# KiCad board m-blanc.kicad_pcb (continued)
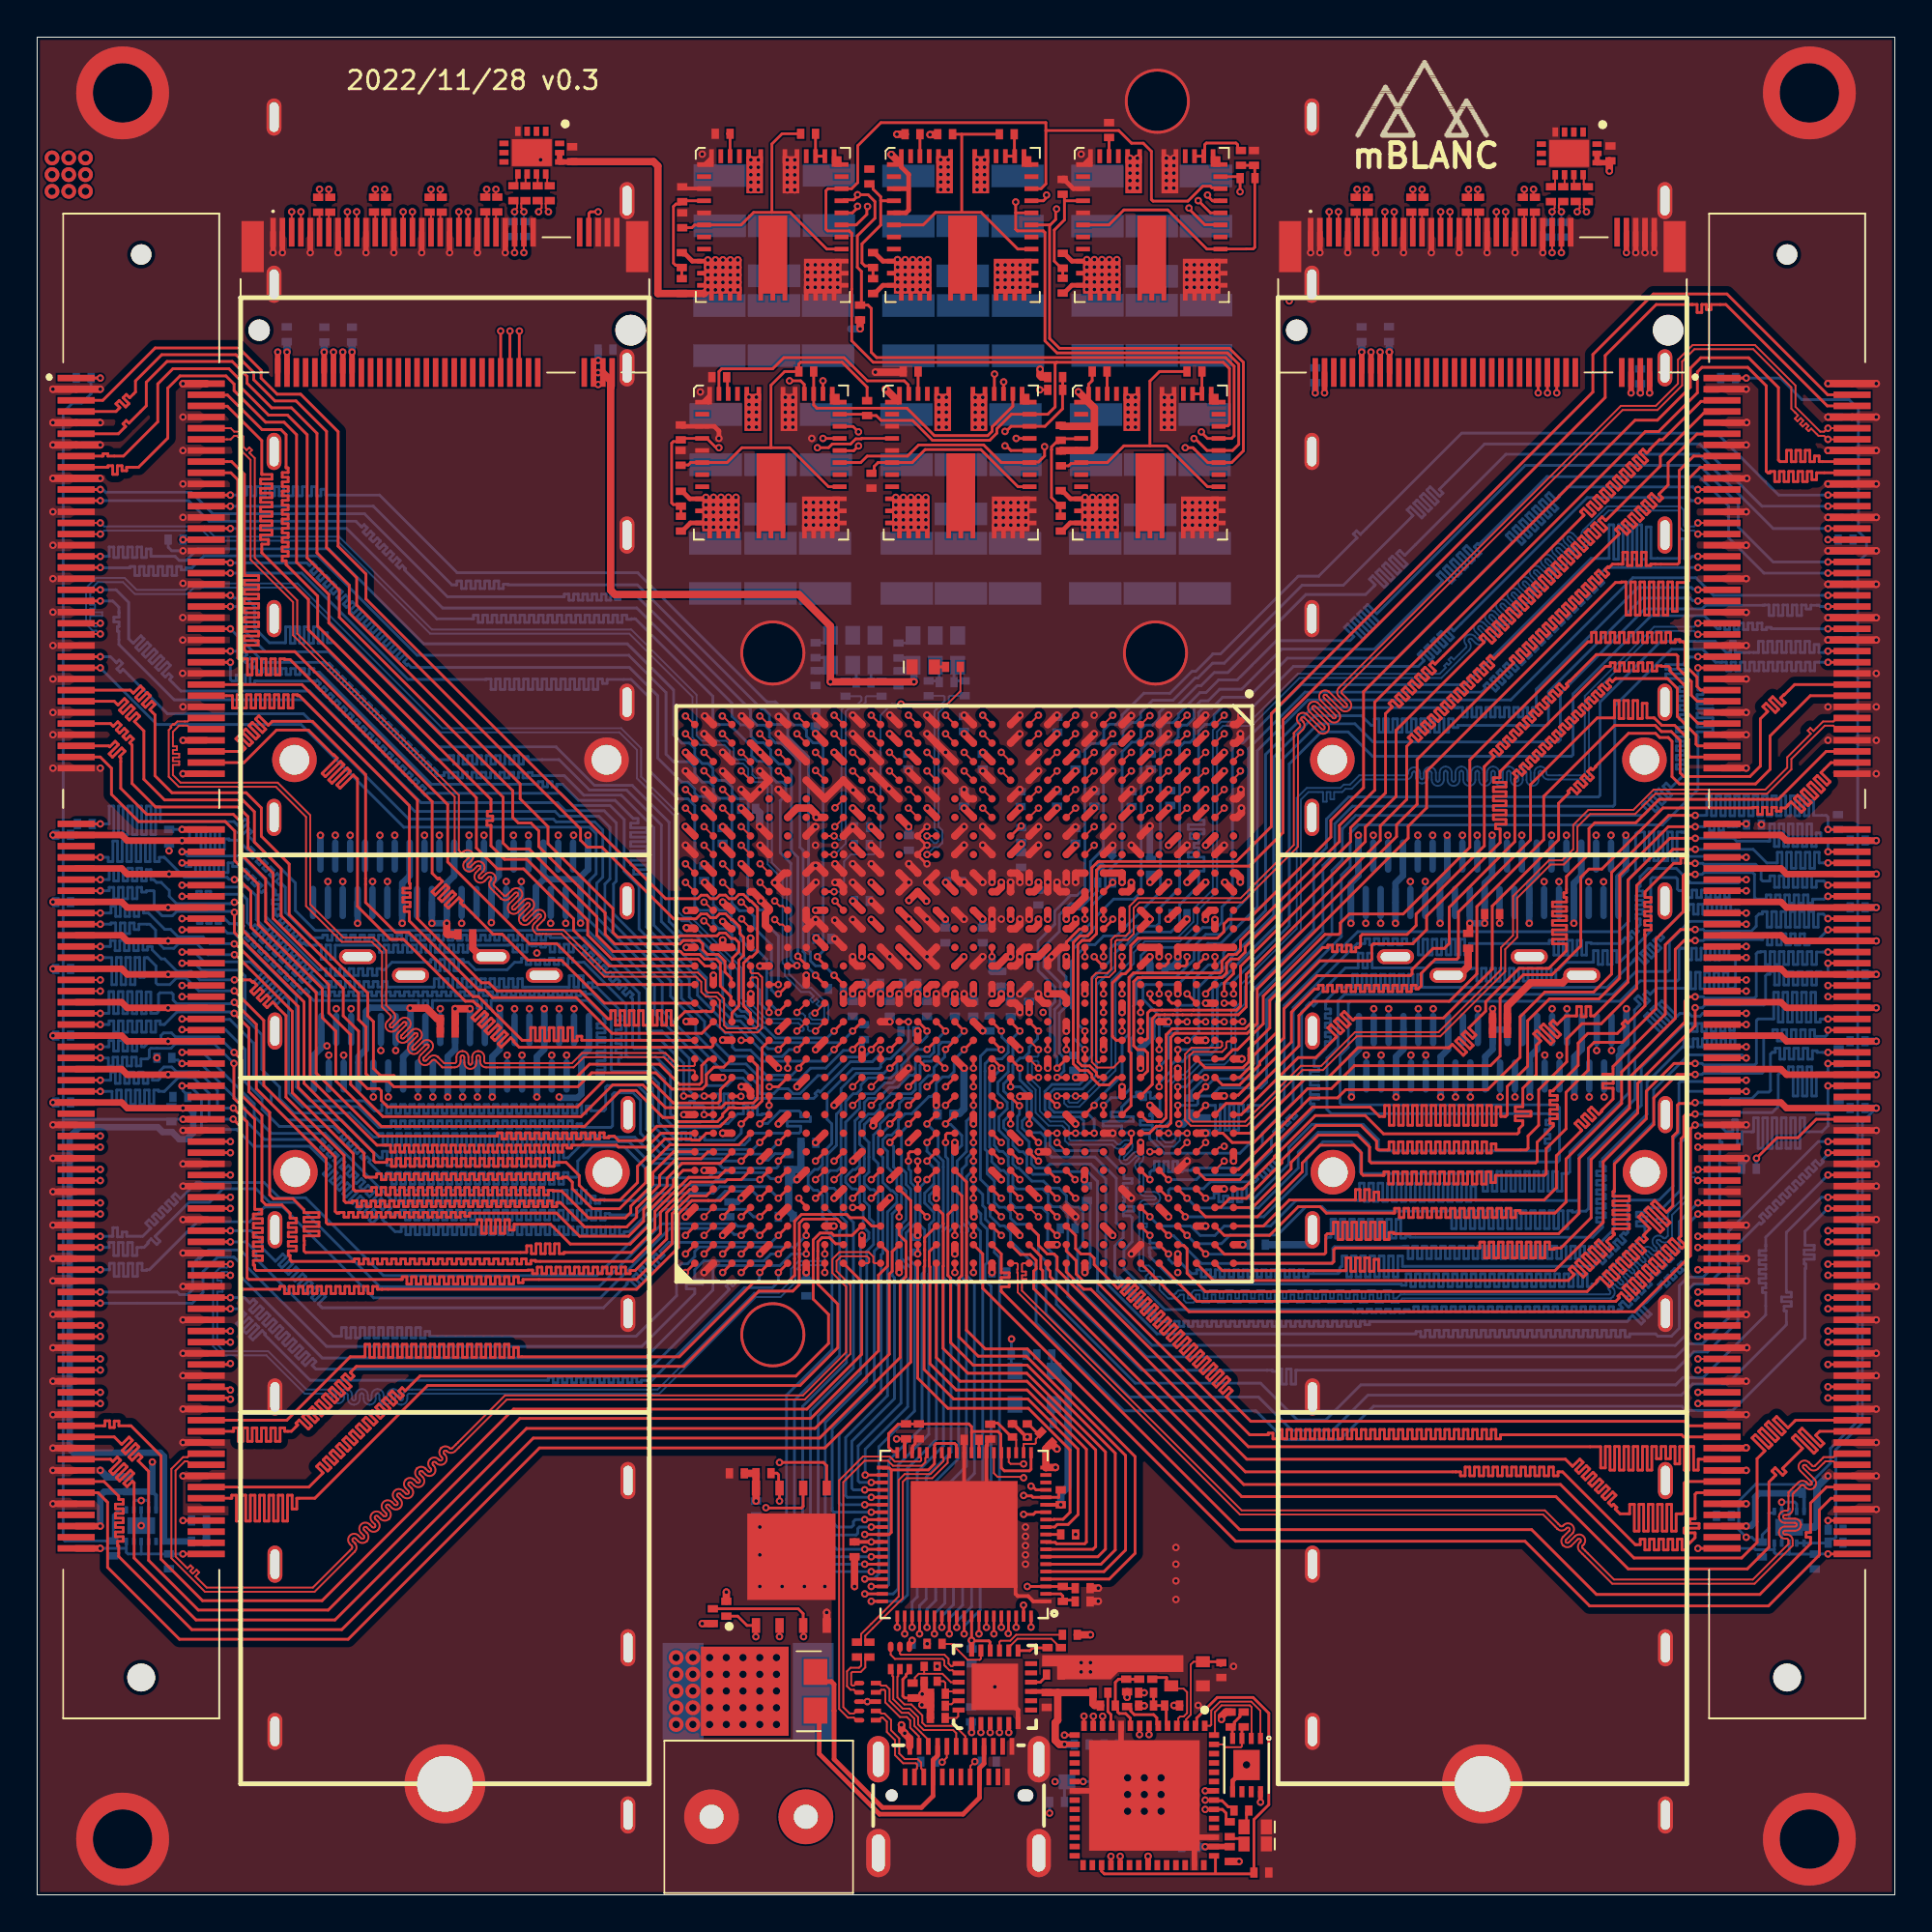
[diagram p0: board, top side]
## Routing (per net, layer and track width the routed paths; a pad name or vN(x,y) marks a point on that pad's centre or on a via; arc(x,y) is an arc through that point) (continued)
FT_D13: length 25.2
  Top Layer w0.15: v1(47.9,38.5) U1.U25 ; v1(44.9,16.6) U4.55
  Bottom Layer w0.15: v1(44.9,16.6) 45.75,16.6 45.84,16.69 45.84,23.37 47.64,25.17 47.64,33.42 47.78,33.56 47.78,35.8 47.53,36.05 47.53,38.09 47.9,38.47 v1(47.9,38.5)
FT_D14: length 28
  Top Layer w0.15: v1(44.55,16.2) U4.56 ; v1(47.9,39.5) U1.U24
  Bottom Layer w0.15: v1(44.55,16.2) 46.07,16.2 46.35,16.47 46.35,23.14 48,24.79 48,33.43 48.03,33.46 48.03,36.07 48.1,36.14 48.1,36.15 48.28,36.33 48.28,36.74 47.78,37.24 47.78,37.78 48.28,38.28 48.28,39.12 v1(47.9,39.5)
FT_D15: length 29.2
  Top Layer w0.15: v1(44.9,15.8) U4.57 ; v1(47.9,40.5) U1.U23
  Bottom Layer w0.15: v1(47.9,40.5) 47.9,40.03 48.53,39.41 48.53,38.14 48.28,37.9 48.27,37.9 48.03,37.66 48.03,37.34 48.53,36.84 48.53,36.22 48.28,35.97 48.28,33.03 48.41,32.9 48.41,24.51 46.85,22.96 46.85,16.14 46.51,15.8 v1(44.9,15.8)
FT_D16: length 29.7
  Top Layer w0.15: v1(47.1,14.4) U4.60 ; v1(47.9,41.5) U1.U22
  Bottom Layer w0.15: v1(47.1,14.4) 47.1,15.77 47.37,16.04 47.37,22.76 48.79,24.18 48.79,32.87 48.53,33.14 48.53,35.86 48.78,36.11 48.78,39.51 48.5,39.78 48.5,40.9 v1(47.9,41.5)
FT_D17: length 29.4
  Top Layer w0.15: v1(48.9,40.5) 48.9,40.91 48.99,41 U1.T23 ; v1(47.5,14.05) U4.61
  Bottom Layer w0.15: v1(47.5,14.05) 47.5,15.57 47.86,15.93 47.86,22.49 49.2,23.83 49.2,32.82 48.78,33.24 48.78,35.76 49.03,36.01 49.03,39.61 48.9,39.74 v1(48.9,40.5)
FT_D18: length 30.2
  Top Layer w0.15: v1(48.9,41.5) U1.T22 ; v1(47.9,14.4) U4.62
  Bottom Layer w0.15: v1(48.9,41.5) 48.93,41.47 49.18,41.47 49.78,40.88 49.78,40.34 49.28,39.84 49.28,35.91 49.03,35.66 49.03,33.34 49.6,32.77 49.6,23.5 48.37,22.26 48.37,15.85 47.9,15.38 v1(47.9,14.4)
FT_D19: length 31.2
  Top Layer w0.15: v1(48.3,14.05) U4.63 ; v1(50.4,42.5) U1.R21
  Bottom Layer w0.15: v1(50.4,42.5) 50.4,42.03 50.03,41.66 50.03,40.01 49.53,39.51 49.53,36.09 49.75,35.86 49.75,35.68 49.78,35.66 49.78,33.24 50.02,33 50.02,23.08 48.86,21.92 48.86,15.7 48.3,15.13 v1(48.3,14.05)
FT_D20: length 28.5
  Top Layer w0.15: v1(48.7,14.4) U4.64 ; v1(50.4,40.5) U1.R23
  Bottom Layer w0.15: v1(48.7,14.4) 48.7,15 49.33,15.62 49.33,21.56 50.45,22.69 50.45,32.91 50.03,33.34 50.03,35.66 50.11,35.74 50.11,35.86 49.78,36.19 49.78,39.06 50.03,39.31 50.03,39.66 50.4,40.03 v1(50.4,40.5)
FT_D21: length 28.3
  Top Layer w0.15: v1(50.4,39.5) U1.R24 ; v1(49.1,14.05) U4.65
  Bottom Layer w0.15: v1(50.4,39.5) 50.4,39.03 50.03,38.66 50.03,36.29 50.36,35.96 50.54,35.96 50.78,35.72 50.78,32.96 50.9,32.84 50.9,22.24 49.82,21.16 49.82,15.6 49.1,14.88 v1(49.1,14.05)
FT_D22: length 25.5
  Top Layer w0.15: v1(49.5,14.4) U4.66 ; v1(50.4,37.5) U1.R26
  Bottom Layer w0.15: v1(50.4,37.5) 50.4,37.06 50.8,36.66 50.8,36.17 51.14,35.83 51.14,34.03 51.03,33.91 51.03,33.09 51.35,32.76 51.35,21.94 50.3,20.89 50.3,15.52 49.5,14.71 v1(49.5,14.4)
FT_D23: length 27.3
  Top Layer w0.15: v1(50.4,38.5) U1.R25 ; v1(49.9,14.05) U4.67
  Bottom Layer w0.15: v1(50.4,38.5) 50.4,38.2 50.9,37.7 50.9,37.1 51.05,36.95 51.05,36.37 51.53,35.89 51.53,34.58 51.81,34.3 51.81,21.51 50.76,20.46 50.76,15.33 49.91,14.48 49.91,14.06 v1(49.9,14.05)
FT_D24: length 32.6
  Top Layer w0.15: v1(46.9,42.5) U1.V21 ; v1(50.7,14.05) U4.69
  InLayer2 (Signal) w0.15: v1(50.7,14.05) 50.7,14.36 46.64,18.42 46.64,33.21 46.78,33.34 46.78,33.66 46.5,33.93 46.5,36.07 46.78,36.34 46.78,37.47 46.52,37.72 46.52,37.93 46.53,38.85 46.18,39.2 46.18,39.79 46.53,40.14 46.53,40.66 46.52,41.7 46.9,42.07 v1(46.9,42.5)
FT_D25: length 33.2
  Top Layer w0.15: v1(51.1,14.4) U4.70 ; v1(46.9,43.5) U1.V20
  InLayer2 (Signal) w0.15: v1(46.9,43.5) 47.27,43.12 47.27,40.84 47.28,40.16 47.1,39.99 46.84,39.99 46.5,39.65 46.5,39.3 46.78,39.03 46.78,37.98 47.03,37.73 47.03,36.19 46.75,35.91 46.75,34.13 47.03,33.86 47.03,33.24 47,33.21 47,18.74 51.05,14.68 51.05,14.45 v1(51.1,14.4)
FT_D26: length 29.2
  Top Layer w0.15: U1.V25 47.37,39 47.4,39.03 v1(47.4,39.5) ; v1(51.5,14.05) U4.71
  InLayer2 (Signal) w0.15: v1(47.4,39.5) 47.4,39.1 47.03,38.73 47.03,38.27 47.28,38.02 47.28,35.91 47.03,35.66 47.03,34.28 47.33,33.97 47.33,18.97 51.5,14.8 v1(51.5,14.05)
FT_D27: length 34.3
  Top Layer w0.15: 47.9,44.49 47.9,44.49 47.4,44.99 U1.V19 ; 51.9,14.41 U4.72
  InLayer2 (Signal) w0.15: 51.89,14.41 51.84,14.46 51.84,15.06 47.66,19.24 47.66,34.23 47.78,34.34 47.78,35.66 47.53,35.91 47.53,36.66 47.73,36.86 47.73,37.8 48.28,38.34 48.28,39.68 47.97,39.98 47.64,39.98 47.53,40.1 47.53,41.2 47.52,41.72 47.6,41.8 47.6,43.15 47.52,43.23 47.52,44.12 v1(47.9,44.5)
  vias: v1(51.9,14.4)
FT_D28: length 25.9
  Top Layer w0.15: U1.V27 v1(47.9,36.5) ; v1(52.27,14.07) 52.29,14.08 52.29,14.99 U4.73
  InLayer2 (Signal) w0.15: v1(52.27,14.07) 52.28,14.07 52.28,15.18 50.17,17.3 47.98,19.48 47.98,34.2 48.03,34.24 48.03,35.85 47.9,35.98 v1(47.9,36.5)
FT_D29: length 32.8
  Top Layer w0.15: 52.7,14.41 U4.74 ; v1(47.9,43.5) U1.U20
  InLayer2 (Signal) w0.15: 52.7,14.41 52.7,15.32 48.28,19.75 48.28,36.88 48.03,37.12 48.03,37.66 48.53,38.16 48.53,39.88 48.28,40.12 48.28,41.13 48.27,41.83 47.9,42.2 v1(47.9,43.5)
  vias: v1(52.7,14.4)
FT_D30: length 30.5
  Top Layer w0.15: v1(53.09,15.59) 53.1,15.59 53.1,15 U4.75 ; v1(48.9,42.5) U1.T21
  InLayer2 (Signal) w0.15: v1(53.09,15.59) 48.59,20.1 48.59,33.07 48.53,33.14 48.53,35.86 48.63,35.97 48.63,37.04 48.78,37.18 48.78,40.09 48.53,40.34 48.53,41.24 48.52,41.24 48.52,42.09 48.9,42.47 v1(48.9,42.5)
FT_D31: length 33.1
  Top Layer w0.15: v1(53.5,14.41) U4.76 ; v1(48.9,43.5) U1.T20
  InLayer2 (Signal) w0.15: v1(53.5,14.41) 53.5,15.8 48.9,20.4 48.9,33.11 48.78,33.24 48.78,35.76 48.95,35.94 48.95,37.01 49.18,37.23 49.18,39.75 49.78,40.34 49.78,41.17 49.27,41.67 49.27,43.12 v1(48.9,43.5)
FT_OE: length 29.1
  Top Layer w0.15: U1.U19 48.4,44.98 48.86,44.51 v1(48.86,44.5) 48.86,44.49 ; U4.13 53.75,20.6 53.63,20.48 v1(53.1,20.48)
  InLayer2 (Signal) w0.15: v1(48.86,44.5) 49.63,43.73 49.63,41.93 50.03,41.53 50.03,39.78 49.6,39.35 49.6,37.15 49.3,36.85 49.3,35.93 49.03,35.66 49.03,33.34 49.38,32.99 49.38,32.42 50,31.8 50,22.59 51.59,21 52.58,21 v1(53.1,20.48)
FT_RD: length 20.8
  Top Layer w0.15: U1.V30 47.4,27.82 49.02,26.19 53.36,26.19 55.6,23.95 55.6,20.59 55.22,20.22 54.74,20.22 54.72,20.2 U4.12
FT_RST: length 29.4
  Top Layer w0.15: v1(50.4,44.5) U1.R19 50.4,45 ; R3.2 55,21.7 55,21.4 U4.15 53.6,21.4 53.53,21.48 53.12,21.48 v1(53.1,21.5)
  InLayer2 (Signal) w0.15: v1(53.1,21.5) 51.85,21.5 50.4,22.95 50.4,32.03 49.78,32.66 49.78,35.66 49.65,35.78 49.65,36.7 50,37.05 50,38.8 50.2,39 50.59,39 50.78,39.19 50.78,41.78 50.56,41.99 50.26,41.99 50.03,42.22 50.03,43.73 50.4,44.11 50.4,44.5 v1(50.4,44.5)
FT_RXF: length 24.2
  Top Layer w0.15: U4.9 54.33,18.97 54.8,18.97 54.88,18.9 56.39,18.9 56.48,18.99 56.48,23.99 53.29,27.18 49.47,27.18 48.06,28.59 48.06,33.81 48.03,33.84 48.03,34.62 U1.U29
FT_TXE: length 23.7
  Top Layer w0.15: U1.U30 48.4,28.92 49.68,27.65 53.28,27.65 56.98,23.95 56.98,18.74 56.83,18.6 U4.8
FT_WK: length 26
  Top Layer w0.15: v1(50.4,43.5) U1.R20 ; U4.16 53.77,21.8 53.57,22 v1(53.5,22)
  InLayer2 (Signal) w0.15: v1(53.5,22) 52.05,22 50.8,23.25 50.8,32.24 50.03,33.02 50.03,36.69 50.34,37 50.68,37 51.03,37.35 51.03,42.88 v1(50.4,43.5)
FT_WR: length 23.6
  Top Layer w0.15: U1.U28 47.78,35.38 47.78,33.84 47.74,33.81 47.74,28.28 49.34,26.69 53.34,26.69 56.03,24 56.03,20.47 55.5,19.94 54.92,19.94 54.78,19.8 U4.11
GCLK: length 27.7
  Top Layer w0.15: v1(58.4,48.5) U1.G15
  InLayer1 (GND) w0.1: v1(52.45,29.92) 52.45,33.59 51.12,34.92 51.12,43.98 50.9,44.2 50.9,45.7 51.07,45.87 53.06,45.87 53.44,46.25 53.44,46.6 54.1,47.26 54.1,47.45 v1(54.15,47.5)
  InLayer4 (GND) w0.1: v1(54.15,47.5) 54.17,47.49 55.09,47.49 55.6,48 57.9,48 v1(58.4,48.5)
  Bottom Layer w0.15: Y1.3 52.44,28.4 C84.2 52.44,29.09 52.44,29.92 v1(52.45,29.92)
JTAG_TCK: length 48.7
  Top Layer w0.15: v1(57.36,9.61) 57.35,9.61 57.35,9.1 57.35,9.1 ; v1(57.9,52.52) 57.9,52.49 57.41,52 U1.H12
  InLayer1 (GND) w0.1: v1(57.9,52.52) 57.9,52.01 58.95,50.96 58.95,50.27 58.63,49.95 58.19,49.95 57.79,49.55 57.53,49.55 57.03,49.05 57.03,47.41 56.47,46.85 56.26,46.85 55.99,46.58 55.99,44.91 56.48,44.42 56.48,40.83 57.27,40.04 57.27,36.28 55.95,34.97 55.95,26.99 58.15,24.8 58.15,11.17 57.4,10.42 57.4,9.66 v1(57.36,9.61)
JTAG_TDI: length 48.7
  Top Layer w0.15: v1(57.4,52.52) U1.H11 ; v1(56.86,9.61) 56.85,9.61 56.85,9.1 56.85,9.1
  InLayer1 (GND) w0.1: v1(56.86,9.61) 56.86,9.97 57.2,10.32 57.2,10.51 57.95,11.26 57.95,24.72 55.75,26.91 55.75,35.05 57.07,36.37 57.07,39.95 56.28,40.74 56.28,44.32 55.79,44.81 55.79,46.67 56.17,47.05 56.38,47.05 56.83,47.49 56.83,49.13 57.45,49.75 57.71,49.75 58.11,50.15 58.54,50.15 58.75,50.36 58.75,50.8 58.6,50.95 58.6,50.95 57.45,52.11 57.45,52.47 v1(57.4,52.52)
JTAG_TDO: length 49.8
  Top Layer w0.15: 56.35,9.1 56.35,9.1 56.35,9.61 v1(56.35,9.62) ; 56.4,50.54 U1.J13
  InLayer1 (GND) w0.1: 56.4,50.54 56.44,50.54 ; v1(56.35,9.62) 56.35,9.18 55.76,8.59 55.76,7.8 55.66,7.7 54.99,7.7 54.9,7.79 54.9,8.76 55.68,9.54 55.68,9.72 56.2,10.24 56.56,10.24 56.8,10.48 56.8,10.67 57.55,11.42 57.55,24.55 55.3,26.8 55.3,44.7 54.85,45.15 54.85,47.73 56.4,49.28 v1(56.4,50.5)
JTAG_TMS: length 49.3
  Top Layer w0.15: v1(56.4,52.52) U1.J11 ; v1(55.3,8.6) 55.85,8.6
  InLayer1 (GND) w0.1: v1(55.3,8.6) 55.88,9.18 55.88,9.64 56.28,10.04 56.65,10.04 57,10.4 57,10.59 57.75,11.34 57.75,24.63 55.5,26.88 55.5,44.79 55.05,45.24 55.05,45.36 55.05,45.36 55.05,47.64 57.36,49.95 57.57,49.95 57.75,50.13 57.75,50.64 57.63,50.77 57.63,51.57 57.1,52.1 56.7,52.1 56.45,52.35 56.45,52.47 v1(56.4,52.52)
NetC4_2: length 23.6
  Top Layer w0.15: 63.43,1.17 63.43,2.03 63.35,2.1 63.35,2.1 ; C4.2 65.5,4.05 66.3,4.85 66.3,9.78 65.45,10.62 63.53,10.62 62.42,9.52 62.42,9.18 62.35,9.1 ; 57.3,1.6 57.3,1.28 57.44,1.13 65.5,1.13
NetC5_2: length 23
  Top Layer w0.15: v1(53.3,16.6) U4.3 55.21,16.6 FB5.1 55.31,16.5 55.84,16.5 55.87,16.46 ; v1(44.55,19.4) U4.48 45.86,19.4 45.98,19.51 45.98,22.88 ; U4.39 45.53,22.97 45.88,22.97 45.98,22.88 ; U4.30 49.48,23.83 49.48,24.21 49.39,24.3 48.39,24.3 48.31,24.21 48.31,23.81 U4.33 48.3,23.2 47.98,22.88 45.98,22.88
  InLayer1 (GND) w0.15: v1(44.55,19.4) 47.5,19.4 50.3,16.6 v1(53.3,16.6)
NetC6_2: length 4.2
  Top Layer w0.15: C7.2 C6.2 58.21,11.61 58.04,11.44 FB2.1 ; 58.04,10.14 58.16,10.02 58.16,9.85 58.25,9.76 58.6,9.76 58.84,9.51 58.84,9.1 58.85,9.1
NetC8_2: length 2.4
  Top Layer w0.15: FB3.1 60.09,10.88 C9.2 C8.2 60.78,10.1 60.78,9.17 60.85,9.1
NetC11_2: length 13.5
  Top Layer w0.15: 50.3,24.9 50.3,25.2 50.15,25.35 C11.2 FB4.2 46.75,25.33 46.34,25.33 45.83,24.82 45.83,24.09 46.06,23.86 46.28,23.86 46.28,23.83 U4.38 ; 50.3,24.9 U4.28 ; 50.3,24.9 50.35,24.95 51.72,24.95 51.88,24.79 51.88,23.83 U4.24 51.9,22.99 52.06,22.83 53.41,22.83 53.5,22.91 U4.20
NetC12_1: length 5.2
  Top Layer w0.1: X1.1 62.25,12.55 62.1,12.4 62.1,9.7 61.85,9.45 61.85,9.1 61.85,9.1
  Top Layer w0.15: 63.75,12.35 63.7,12.35 63.5,12.55 X1.1
NetC13_1: length 1.9
  Top Layer w0.15: 55.87,15.87 55.28,15.87 FB5.2 55.21,16.09 55.1,16.2 U4.2
NetC14_2: length 4.5
  Top Layer w0.1: 61.42,9.18 61.42,9.5 61.52,9.6 61.72,9.6 61.9,9.78 61.9,10.91 61.71,11.1 61.2,11.1
  Top Layer w0.15: 61.35,9.1 61.42,9.18 ; C14.2 60.11,11.7 60.8,11.7 60.8,11.47 61.03,11.25 X1.3 61.2,11.1
NetC16_2: length 1.8
  Top Layer w0.1: 49,10.95 U2.22 ; X2.3 48.8,11.5 48.89,11.41 48.89,10.84
  Top Layer w0.15: 48.89,10.84 49,10.95
NetC17_1: length 2.6
  Top Layer w0.1: U4.21 53.1,24.28 53.7,24.28 53.76,24.33 53.76,24.53 53.96,24.74 53.83,24.87
  Top Layer w0.15: 53.83,24.87 53.35,25.35 X3.1
NetC18_1: length 2.5
  Top Layer w0.1: U4.22 52.7,24.5 52.55,24.65 X3.3
  Top Layer w0.15: 51.29,25.43 51.29,25.43 ; X3.3 52.45,24.65 51.7,25.4 51.29,25.4
NetC19_1: length 1
  Top Layer w0.15: 54.32,11.8 54.32,11.77 54,11.45 U2.10
NetC20_1: length 0.8
  Top Layer w0.1: 48.98,10.26 49.22,10.26 49.41,10.45
  Top Layer w0.15: 49.41,10.45 U2.23 ; C20.1 48.98,10.26
NetC21_2: length 3.4
  Top Layer w0.1: 47.1,11.36 47.25,11.51 47.25,11.69 47.45,11.9 47.75,11.9 ; X2.1 47.75,12.3 47.75,11.9 ; U2.21 49.19,11.45 48.73,11.9 47.75,11.9
NetC36_2: length 16.7
  Top Layer w0.15: v1(36.7,77.9) 36.65,77.95 36.5,77.95 36.05,78.4 34.72,78.4 R36.1 34.56,78.23 34.24,78.23 34.16,78.14 34.16,74.93 34.24,74.84 34.57,74.84 R35.1 C36.2 ; VR2.4 44.39,78.4 44.37,78.38 44.07,78.38 43.79,78.1 42.8,78.1 42.6,77.9 v1(42,77.9)
  InLayer4 (GND) w0.15: v1(36.7,77.9) v1(42,77.9)
NetC41_2: length 20.4
  Top Layer w0.15: 39.5,77.9 39.5,81.26 40.24,82 R34.1 41,82.4 41.1,82.5 43.33,82.5 44.68,81.16 R37.1 ; 39.5,77.9 37.94,77.9 37.14,77.1 VR1.6 35.18,77.1 35.05,76.97 34.65,76.97 C41.2 ; 39.5,77.9 40.5,77.9 42.6,75.8 VR1.26
NetC44_2: length 10
  Top Layer w0.15: VR2.26 52.8,75.8 50.8,77.8 47.8,77.8 47.1,77.1 VR2.6 45.26,77.1 45.06,76.89 45.06,76.65 44.93,76.53 C44.2
NetC47_2: length 5.7
  Top Layer w0.15: R43.1 54.98,78.18 54.84,78.18 54.6,77.94 54.6,77.8 54.6,77.8 54.6,75.21 55.02,74.79 55.07,74.79 55.07,74.22 55.07,74.21 ; 55.18,78.3 55.18,78.38 56.18,78.38 VR3.4
NetC52_2: length 15.5
  Top Layer w0.15: C52.2 55.53,76.93 55.65,77.05 56.15,77.05 VR3.6 57.6,77.1 58.5,78 59.9,78 ; 59.9,78 60.8,78 63,75.8 VR3.26 ; 59.9,78 59.9,81.49 60.42,82 R41.1
NetC55_2: length 6
  Top Layer w0.15: 55.3,91.22 55.33,91.19 VR4.4 ; 55.3,91.22 55.3,91.44 R47.1 ; 55.3,91.22 55.3,90.16 54.75,89.62 54.75,87.94 55.13,87.56 C55.2 55.21,87.03 R46.1
NetC60_2: length 15.6
  Top Layer w0.15: R45.1 C60.2 65.55,93.06 65.55,88.69 65.46,88.6 65.1,88.6 65.1,88.6 63.78,88.6 63.78,88.59 VR4.26 62.97,88.59 60.86,90.7 58.5,90.7 57.69,89.89 VR4.6
NetC63_2: length 7
  Top Layer w0.15: 45.12,87.67 45.13,87.68 ; 45.41,91.2 45.42,91.19 VR5.4 ; 45.41,91.2 45.41,89.88 44.4,88.87 44.4,87.85 44.56,87.69 44.91,87.69 R50.1 C63.2 ; 45.41,91.2 45.41,91.41 45,91.82 45,91.98 44.88,92.1 R51.1
NetC68_2: length 15.2
  Top Layer w0.15: 49.36,94.61 49.39,94.58 ; VR5.6 47.69,89.89 48.37,90.57 50.81,90.57 52.79,88.59 VR5.26 ; C68.2 49.28,94.77 49.77,94.77 ; 49.77,94.77 49.77,90.59 ; 49.77,94.77 R49.1
NetC71_2: length 5.9
  Top Layer w0.15: C71.2 R54.1 34.58,87.73 34.36,87.73 34.25,87.84 34.25,90.88 34.38,91.02 34.6,91.02 R55.1 34.77,91.19 35.83,91.19
NetC76_2: length 15.2
  Top Layer w0.15: 39.55,90.57 38.57,90.57 37.89,89.89 VR6.6 35.9,89.89 35.39,89.89 35.24,89.74 C76.2 ; 39.55,90.57 40.53,90.57 42.51,88.59 VR6.26 ; 39.55,90.57 39.55,94.25 40.1,94.8 R53.1
NetC85_1: length 1.6
  Bottom Layer w0.15: C85.1 44.02,65.32 R64.1 44.09,66.01 Y2.5
NetC86_1: length 1.6
  Bottom Layer w0.15: Y2.4 44.89,65.99 R64.2 44.95,65.32 C86.1
NetC87_2: length 0.7
  Top Layer w0.1: 27.45,92.14 27.45,92.56 K1.11
  Top Layer w0.15: C87.2 27.57,92 27.44,92.12
NetC88_2: length 0.7
  Top Layer w0.1: C88.2 26.94,92.57
  Top Layer w0.15: K1.10 26.94,92.57
NetC91_2: length 1
  Top Layer w0.1: C91.2 83.41,91.95 83.26,92.1 83.26,92.56 K2.11
  Top Layer w0.15: 83.28,92.07 83.4,91.95 83.41,91.95
NetC92_2: length 0.7
  Top Layer w0.1: K2.10 82.73,92.58 82.73,92.05 C92.2
NetC93_2: length 1.1
  Top Layer w0.1: M.2 #1.49 24.7,90.52
  Top Layer w0.15: 24.7,90.52 C93.2
NetC94_2: length 1.2
  Top Layer w0.1: 80.52,89.53 M.2 #2.49 80.55,90.51
  Top Layer w0.15: 80.55,90.51 C94.2
NetC95_2: length 1.1
  Top Layer w0.1: M.2 #1.47 24.2,90.51
  Top Layer w0.15: C95.2 24.2,90.51
NetC96_2: length 1.1
  Top Layer w0.1: M.2 #2.47 80.05,90.5
  Top Layer w0.15: C96.2 80.05,90.5
NetC97_2: length 1.1
  Top Layer w0.1: M.2 #1.37 21.7,90.5
  Top Layer w0.15: 21.7,90.5 C97.2
NetC98_2: length 1.1
  Top Layer w0.1: M.2 #2.37 77.55,90.51
  Top Layer w0.15: 77.55,90.51 C98.2
NetC99_2: length 1.1
  Top Layer w0.1: M.2 #1.35 21.2,90.51
  Top Layer w0.15: C99.2 21.2,90.51
NetC100_2: length 1.1
  Top Layer w0.1: M.2 #2.35 77.05,90.49
  Top Layer w0.15: C100.2 77.05,90.49
NetC101_2: length 1.1
  Top Layer w0.1: M.2 #1.25 18.7,90.5
  Top Layer w0.15: 18.7,90.5 C101.2
NetC102_2: length 1.1
  Top Layer w0.1: M.2 #2.25 74.55,90.5
  Top Layer w0.15: 74.55,90.5 C102.2
NetC103_2: length 1.1
  Top Layer w0.1: M.2 #1.23 18.2,90.52
  Top Layer w0.15: C103.2 18.2,90.52
NetC104_2: length 1.1
  Top Layer w0.1: M.2 #2.23 74.05,90.5
  Top Layer w0.15: C104.2 74.05,90.5
NetC105_2: length 1.1
  Top Layer w0.1: M.2 #1.13 15.7,90.5
  Top Layer w0.15: 15.7,90.5 C105.2
NetC106_2: length 1.1
  Top Layer w0.1: M.2 #2.13 71.55,90.5
  Top Layer w0.15: 71.55,90.5 C106.2
NetC107_2: length 1.1
  Top Layer w0.1: M.2 #1.11 15.2,90.5
  Top Layer w0.15: C107.2 15.2,90.5
NetC108_2: length 1.1
  Top Layer w0.1: M.2 #2.11 71.05,90.51
  Top Layer w0.15: C108.2 71.05,90.51
NetC177_1: length 1.6
  Bottom Layer w0.15: C177.1 48.49,65.35 R77.1 48.56,65.98 Y3.5
NetC178_1: length 1.6
  Bottom Layer w0.15: C178.1 49.43,65.35 R77.2 49.36,66 Y3.4
NetCON1_A4: length 14.7
  Top Layer w0.25: D1.1 41.9,11.99 42.41,11.48 42.75,11.48 42.89,11.34 42.89,9.91 42.9,9.9 42.9,7.3 45.5,4.7 47.6,4.7 48.23,5.33 CON1.B9 48.23,7.25 48.47,7.5 CON1.A4
NetCON1_A5: length 1.3
  Top Layer w0.1: CON1.A5 48.97,7.99 48.97,7.39 v1(48.72,7.14)
  Bottom Layer w0.15: v1(48.72,7.14) 48.39,7.14 R61.2
NetCON1_A9: length 15.5
  Top Layer w0.25: CON1.A9 50.97,7.07 50.73,6.82 CON1.B4 50.73,5.23 49.84,4.34 45.34,4.34 42.1,7.59 42.1,9.92
NetCON1_B5: length 1.3
  Top Layer w0.1: v1(50.48,7.17) 50.23,6.93 50.23,6.35 CON1.B5
  Bottom Layer w0.15: R60.2 50.82,7.17 v1(50.48,7.17)
NetDS1_1: length 1
  Top Layer w0.15: DS1.1 65.1,3.79 65.1,4.42 R4.1
NetDS2_1: length 1
  Top Layer w0.15: 64.2,3.09 64.26,3.03 64.75,3.03 64.97,2.81 DS2.1
NetDS3_1: length 0.4
  Top Layer w0.15: 48.4,66.1 48.8,66.1
NetFB1_1: length 1.8
  Top Layer w0.15: v1(51.4,50.5) U1.P13
  Bottom Layer w0.4: FB1.1 51.4,49.71 v1(51.4,50.5)
NetK1_8: length 0.7
  Top Layer w0.1: K1.8 25.81,92.56 25.81,92.15 25.66,92 R68.2
NetK1_9: length 0.7
  Top Layer w0.1: K1.9 26.29,92.55 26.29,92 R67.2
NetK2_8: length 1
  Top Layer w0.1: K2.8 81.71,92.58 81.71,92.1 81.56,91.95 81.46,91.95
  Top Layer w0.15: 81.54,91.95 81.66,92.07
NetK2_9: length 0.7
  Top Layer w0.1: 82.22,92.02 82.22,92.59 K2.9
  Top Layer w0.15: R71.2 82.22,92.02
NetQ1_1: length 3.5
  Top Layer w0.15: 55.85,6.1 v1(56.31,6.1)
  Bottom Layer w0.15: v1(56.31,6.1) 57.35,6.1 57.44,6.19 Q1.1 57.43,7.04 R75.1
NetR2_1: length 0.8
  Top Layer w0.15: R2.1 U4.10 54.3,19.4
NetR5_1: length 0.8
  Top Layer w0.15: U4.27 50.7,24.6
NetR6_2: length 1.9
  Top Layer w0.15: R6.2 57.64,9.87 57.8,9.7 57.8,9.15 57.85,9.1
NetR7_2: length 2.4
  Top Layer w0.15: R7.2 58.75,10.13 58.87,10.01 58.87,9.89 59.06,9.7 60.1,9.7 60.27,9.53 60.27,9.18 60.35,9.1
NetR8_1: length 2.7
  Top Layer w0.1: 63.35,8.1 63.85,8.1 63.9,8.04 63.9,8.01 63.96,7.95 64.79,7.95 64.85,8.01 U5.3
  Top Layer w0.15: U5.3 64.85,8.94 R8.1
NetR8_2: length 2.1
  Top Layer w0.15: 64.32,9.04 64.33,9.05 64.33,8.28 64.35,8.27 ; 64.32,9.04 64.44,9.17 64.44,9.29 64.75,9.59 64.75,9.72 64.87,9.84 R8.2 ; 64.32,9.04 R9.1 64.32,9.04
NetR10_2: length 4.1
  Top Layer w0.1: 55.34,14 52.7,14 52.38,13.68 51.86,13.68 51.8,13.62 51.8,13.24
NetR11_1: length 3.4
  Top Layer w0.1: 52.3,13.32 52.3,13.34 52.39,13.42 52.41,13.42 52.77,13.79 54.6,13.79 54.88,13.5 54.88,13.46 55.03,13.31 R11.1
  Top Layer w0.15: U2.14 52.3,13.34
NetR12_1: length 1.6
  Top Layer w0.15: 54.33,13.3 53.6,13.3 53.45,13.15 52.81,13.15
NetR13_2: length 2.9
  Top Layer w0.1: U2.17 50.8,13.15 50.8,12.71 50.74,12.65 50.09,12.65 49.24,13.5 48.72,13.5 R13.2
NetR14_2: length 1.1
  Top Layer w0.1: 49.58,9.93 49.58,9.61 49.49,9.52 R14.2
NetR16_1: length 0.7
  Top Layer w0.15: 57.9,54.51 57.9,54.5 57.4,54 U1.H10
  vias: v1(57.9,54.5)
NetR20_1: length 0.5
  Top Layer w0.15: v1(47.4,34.5) U1.V29
NetR21_2: length 18.1
  Top Layer w0.1: R21.2 49.7,64.8 49,64.1 v1(46.5,64.1)
  Top Layer w0.15: U1.AC10 v1(42.9,54)
  Bottom Layer w0.1: v1(42.9,54) 43.21,54 43.44,54.22 43.44,55.64 43.8,56 45.03,56 45.4,56.37 45.4,63.5 46,64.1 v1(46.5,64.1)
NetR34_2: length 14.7
  Top Layer w0.15: R34.2 VR1.36 41.8,80.2 41.97,80.03 46.82,80.03 48.3,78.55 51.17,78.55 51.41,78.79 51.41,79.02 52.52,80.13 VR2.35
NetR38_1: length 0.9
  Top Layer w0.15: VR1.43 37.16,80.84 37.16,81.66 R38.1
NetR39_1: length 14.4
  Top Layer w0.15: R59.1 55.2,81.7 55.2,81.05 55.2,81.04 55.2,80 54.25,79.05 VR2.31 52.43,79.05 52.15,78.78 v1(52.1,78.78) ; VR1.31 43.21,79.04 43.92,79.04 v1(44.21,78.75)
  InLayer4 (GND) w0.15: v1(44.21,78.75) 44.28,78.75 44.41,78.62 51.42,78.62 51.58,78.78 v1(52.1,78.78)
NetR40_1: length 1.2
  Top Layer w0.15: VR2.43 47.42,80.8 R40.1
NetR41_2: length 1.7
  Top Layer w0.15: R41.2 62.7,82 62.7,80.8 62.7,80.8 VR3.36
NetR44_1: length 1.2
  Top Layer w0.15: R44.1 57.6,82 57.6,80.8 VR3.43
NetR45_2: length 3.3
  Top Layer w0.15: VR4.36 VR4.35 62.85,93.64 62.85,94.21 62.94,94.3 64.53,94.3 64.62,94.21 64.62,93.98 64.7,93.9 ; 62.3,93.67 62.3,93.67
NetR48_1: length 1
  Top Layer w0.15: VR4.43 R48.1
NetR49_2: length 1.7
  Top Layer w0.15: VR5.36 52.57,93.59 52.62,93.64 52.62,93.67 52.61,93.68 52.61,94.76 R49.2
NetR52_1: length 1
  Top Layer w0.15: 47.52,93.67 47.52,94.68
NetR53_2: length 1.6
  Top Layer w0.15: 41.9,93.67 R53.2 ; VR6.36 VR6.35
NetR56_1: length 1.3
  Top Layer w0.15: 37.15,94.8 37.2,94.8 ; 37.2,94.8 37.3,94.7 37.3,93.67 ; 37.2,94.8 R56.1
NetR62_2: length 1.4
  Bottom Layer w0.15: 54.98,26.64 Y1.1 54.7,26.36 R62.2
NetR63_1: length 1
  Bottom Layer w0.15: Y2.1 42.7,67.73 42.38,67.4 R63.1
NetR65_1: length 0.8
  Top Layer w0.15: U1.N7 52.42,57 52.96,57.54 v1(52.97,57.54)
NetR76_1: length 1
  Bottom Layer w0.15: Y3.1 47.15,67.71 46.83,67.39 R76.1
NetU3_1: length 5.7
  Top Layer w0.1: 62.85,9.1 63.14,9.1 63.2,9.16 63.2,9.93 63.67,10.4 65.36,10.4 65.85,9.91 65.85,8.42
NetU3_56: length 5.2
  Top Layer w0.1: 65.37,8.3 65.37,10.1 65.28,10.2 63.76,10.2 63.4,9.84 63.4,8.65 63.35,8.6
NetVR1_35: length 11.1
  Top Layer w0.15: VR1.35 v1(42.3,81.5) ; v1(52.03,81.44) 52.02,81.44 52.02,80.8 VR2.36
  InLayer4 (GND) w0.15: v1(42.3,81.5) 42.33,81.47 52,81.47 v1(52.03,81.44)
NetVR1_37: length 14
  Top Layer w0.15: v1(40.5,81.5) 41.1,81.5 41.29,81.31 41.29,80.81 VR1.37 ; v1(51.54,81.86) 51.53,81.86 51.53,80.81 VR2.37
  InLayer4 (GND) w0.15: v1(40.5,81.5) 41.73,81.5 42.13,81.9 44.5,81.9 44.94,82.34 45.46,82.34 45.94,81.86 v1(51.54,81.86)
NetVR1_44: length 12.8
  Top Layer w0.15: VR2.44 46.89,80.83 46.89,81.29 46.68,81.5 44.69,81.5 43.44,82.75 40.2,82.75 39.59,82.15 36.85,82.15 36.7,82 VR1.44
PCIe1_CKRQ: length 81.3
  Top Layer w0.15: M.2 #1.52 v1(25.45,84.18) ; U1.B17 v1(63.9,47)
  InLayer1 (GND) w0.15: v1(25.45,84.18) 25.45,84.2 30.47,89.22 53.8,89.22 54.65,88.38 54.65,78.94 55.45,78.14 55.45,67.67 58.96,64.16 60.98,64.16 61.5,63.64 61.5,60.12 61.28,59.9 61.28,59.11 61.5,58.89 61.5,53.66 62.52,52.64 62.52,51.73 62.53,51.72 62.53,47.84 62.85,47.52 63.01,47.52 63.53,47 v1(63.9,47)
PCIe1_CLK_N: length 95.4
  Top Layer w0.1: v1(26.2,90.6) 26.2,90.67 26.06,90.81 26.06,91.05 26.21,91.2 R67.1 ; v1(25.7,88.4) M.2 #1.53
  InLayer2 (Signal) w0.1: v1(25.7,88.4) 25.7,88.33 25.84,88.19 25.84,87.97 26.03,87.77 26.26,87.77 26.32,87.72 26.32,78 26.23,78 26.23,77.8 26.32,77.8 26.32,77.6 26.04,77.6 26.04,77.4 26.32,77.4 26.32,77.2 26.09,77.2 26.09,77 26.32,77 26.32,76.8 26.06,76.8 26.06,76.6 26.32,76.6 26.32,76.4 26.09,76.4 26.09,76.2 26.32,76.2 26.32,76 26.08,76 26.08,75.8 26.32,75.8 26.32,74.93 26.26,74.87 24.65,74.87 24.59,74.93 24.59,75.28 arc(24.49,75.51) 24.26,75.6 23.65,75.6 arc(23.58,75.63) 23.55,75.7 arc(23.58,75.77) 23.65,75.8 25.57,75.8 arc(25.8,75.9) 25.89,76.13 arc(25.8,76.36) 25.57,76.45 23.48,76.45 arc(23.41,76.48) 23.38,76.55 arc(23.41,76.62) 23.48,76.65 25.57,76.65 arc(25.8,76.75) 25.89,76.98 arc(25.8,77.21) 25.57,77.3 23.48,77.3 arc(23.41,77.33) 23.38,77.4 arc(23.41,77.47) 23.48,77.5 25.57,77.5 arc(25.8,77.6) 25.89,77.83 arc(25.8,78.06) 25.57,78.15 23.48,78.15 arc(23.41,78.18) 23.38,78.25 arc(23.41,78.32) 23.48,78.35 25.57,78.35 arc(25.8,78.45) 25.89,78.68 arc(25.8,78.91) 25.57,79 23.48,79 arc(23.41,79.03) 23.38,79.1 arc(23.41,79.17) 23.48,79.2 25.57,79.2 arc(25.8,79.3) 25.89,79.53 arc(25.8,79.76) 25.57,79.85 23.48,79.85 arc(23.41,79.88) 23.38,79.95 arc(23.41,80.02) 23.48,80.05 25.57,80.05 arc(25.8,80.15) 25.89,80.38 arc(25.8,80.61) 25.57,80.7 23.48,80.7 arc(23.41,80.73) 23.38,80.8 arc(23.41,80.87) 23.48,80.9 25.57,80.9 arc(25.8,81) 25.89,81.23 arc(25.8,81.46) 25.57,81.55 23.48,81.55 arc(23.41,81.58) 23.38,81.65 arc(23.41,81.72) 23.48,81.75 25.57,81.75 arc(25.8,81.85) 25.89,82.08 arc(25.8,82.31) 25.57,82.4 23.48,82.4 arc(23.41,82.43) 23.38,82.5 arc(23.41,82.57) 23.48,82.6 25.57,82.6 arc(25.8,82.7) 25.89,82.93 arc(25.8,83.16) 25.57,83.25 24.69,83.25 arc(24.62,83.28) 24.59,83.35 24.59,84.53 arc(24.62,84.6) 24.69,84.63 25.57,84.63 arc(25.8,84.72) 25.89,84.95 arc(25.8,85.18) 25.57,85.28 23.38,85.28 arc(23.31,85.31) 23.28,85.38 arc(23.31,85.45) 23.38,85.48 25.57,85.48 arc(25.8,85.57) 25.89,85.8 arc(25.8,86.03) 25.57,86.13 23.38,86.13 arc(23.31,86.16) 23.28,86.23 arc(23.31,86.3) 23.38,86.33 25.57,86.33 arc(25.8,86.42) 25.89,86.65 arc(25.8,86.88) 25.57,86.98 23.38,86.98 arc(23.31,87.01) 23.28,87.08 arc(23.31,87.15) 23.38,87.18 25.15,87.18 arc(25.38,87.27) 25.47,87.5 arc(25.38,87.73) 25.15,87.83 24.69,87.83 arc(24.62,87.86) 24.59,87.93 24.59,88.75 24.64,88.75 24.64,88.95 24.59,88.95 24.59,89.68 24.65,89.74 25.87,89.74 26.06,89.93 26.06,90.39 26.2,90.53 v1(26.2,90.6)
  Bottom Layer w0.1: v1(26.2,90.6) 26.2,90.13 R70.2
PCIe1_CLK_P: length 95.4
  Top Layer w0.1: v1(26.2,88.4) M.2 #1.55 ; v1(25.7,90.6) 25.7,90.67 25.84,90.81 25.84,91.05 25.69,91.2 R68.1
  InLayer2 (Signal) w0.1: v1(25.7,90.6) 25.7,90.53 25.84,90.39 25.84,90.02 25.78,89.97 25.29,89.97 25.29,90.44 25.09,90.44 25.09,89.97 24.89,89.97 24.89,90.48 24.69,90.48 24.69,89.97 24.55,89.97 24.36,89.77 24.36,87.93 arc(24.46,87.7) 24.69,87.6 25.15,87.6 arc(25.22,87.57) 25.25,87.5 arc(25.22,87.43) 25.15,87.4 23.38,87.4 arc(23.15,87.31) 23.05,87.08 arc(23.15,86.85) 23.38,86.75 25.57,86.75 arc(25.64,86.72) 25.67,86.65 arc(25.64,86.58) 25.57,86.55 23.38,86.55 arc(23.15,86.46) 23.05,86.23 arc(23.15,86) 23.38,85.9 25.57,85.9 arc(25.64,85.87) 25.67,85.8 arc(25.64,85.73) 25.57,85.7 23.38,85.7 arc(23.15,85.61) 23.05,85.38 arc(23.15,85.15) 23.38,85.05 25.57,85.05 arc(25.64,85.02) 25.67,84.95 arc(25.64,84.88) 25.57,84.85 24.69,84.85 arc(24.46,84.76) 24.36,84.53 24.36,83.35 arc(24.46,83.12) 24.69,83.03 25.57,83.03 arc(25.64,83) 25.67,82.93 arc(25.64,82.86) 25.57,82.83 23.48,82.83 arc(23.25,82.73) 23.15,82.5 arc(23.25,82.27) 23.48,82.18 25.57,82.18 arc(25.64,82.15) 25.67,82.08 arc(25.64,82.01) 25.57,81.98 23.48,81.98 arc(23.25,81.88) 23.15,81.65 arc(23.25,81.42) 23.48,81.33 25.57,81.33 arc(25.64,81.3) 25.67,81.23 arc(25.64,81.16) 25.57,81.13 23.48,81.13 arc(23.25,81.03) 23.15,80.8 arc(23.25,80.57) 23.48,80.48 25.57,80.48 arc(25.64,80.45) 25.67,80.38 arc(25.64,80.31) 25.57,80.28 23.48,80.28 arc(23.25,80.18) 23.15,79.95 arc(23.25,79.72) 23.48,79.63 25.57,79.63 arc(25.64,79.6) 25.67,79.53 arc(25.64,79.46) 25.57,79.43 23.48,79.43 arc(23.25,79.33) 23.15,79.1 arc(23.25,78.87) 23.48,78.78 25.57,78.78 arc(25.64,78.75) 25.67,78.68 arc(25.64,78.61) 25.57,78.58 23.48,78.58 arc(23.25,78.48) 23.15,78.25 arc(23.25,78.02) 23.48,77.93 25.57,77.93 arc(25.64,77.9) 25.67,77.83 arc(25.64,77.76) 25.57,77.73 23.48,77.73 arc(23.25,77.63) 23.15,77.4 arc(23.25,77.17) 23.48,77.08 25.57,77.08 arc(25.64,77.05) 25.67,76.98 arc(25.64,76.91) 25.57,76.88 23.48,76.88 arc(23.25,76.78) 23.15,76.55 arc(23.25,76.32) 23.48,76.23 25.57,76.23 arc(25.64,76.2) 25.67,76.13 arc(25.64,76.06) 25.57,76.03 23.65,76.03 arc(23.42,75.93) 23.33,75.7 arc(23.42,75.47) 23.65,75.38 24.26,75.38 arc(24.33,75.35) 24.36,75.28 24.36,74.83 24.55,74.64 26.35,74.64 26.54,74.83 26.54,87.81 26.35,88 26.12,88 26.06,88.06 26.06,88.19 26.2,88.33 v1(26.2,88.4)